# Allegro board SDHCalFEB20180110.brd (continued)
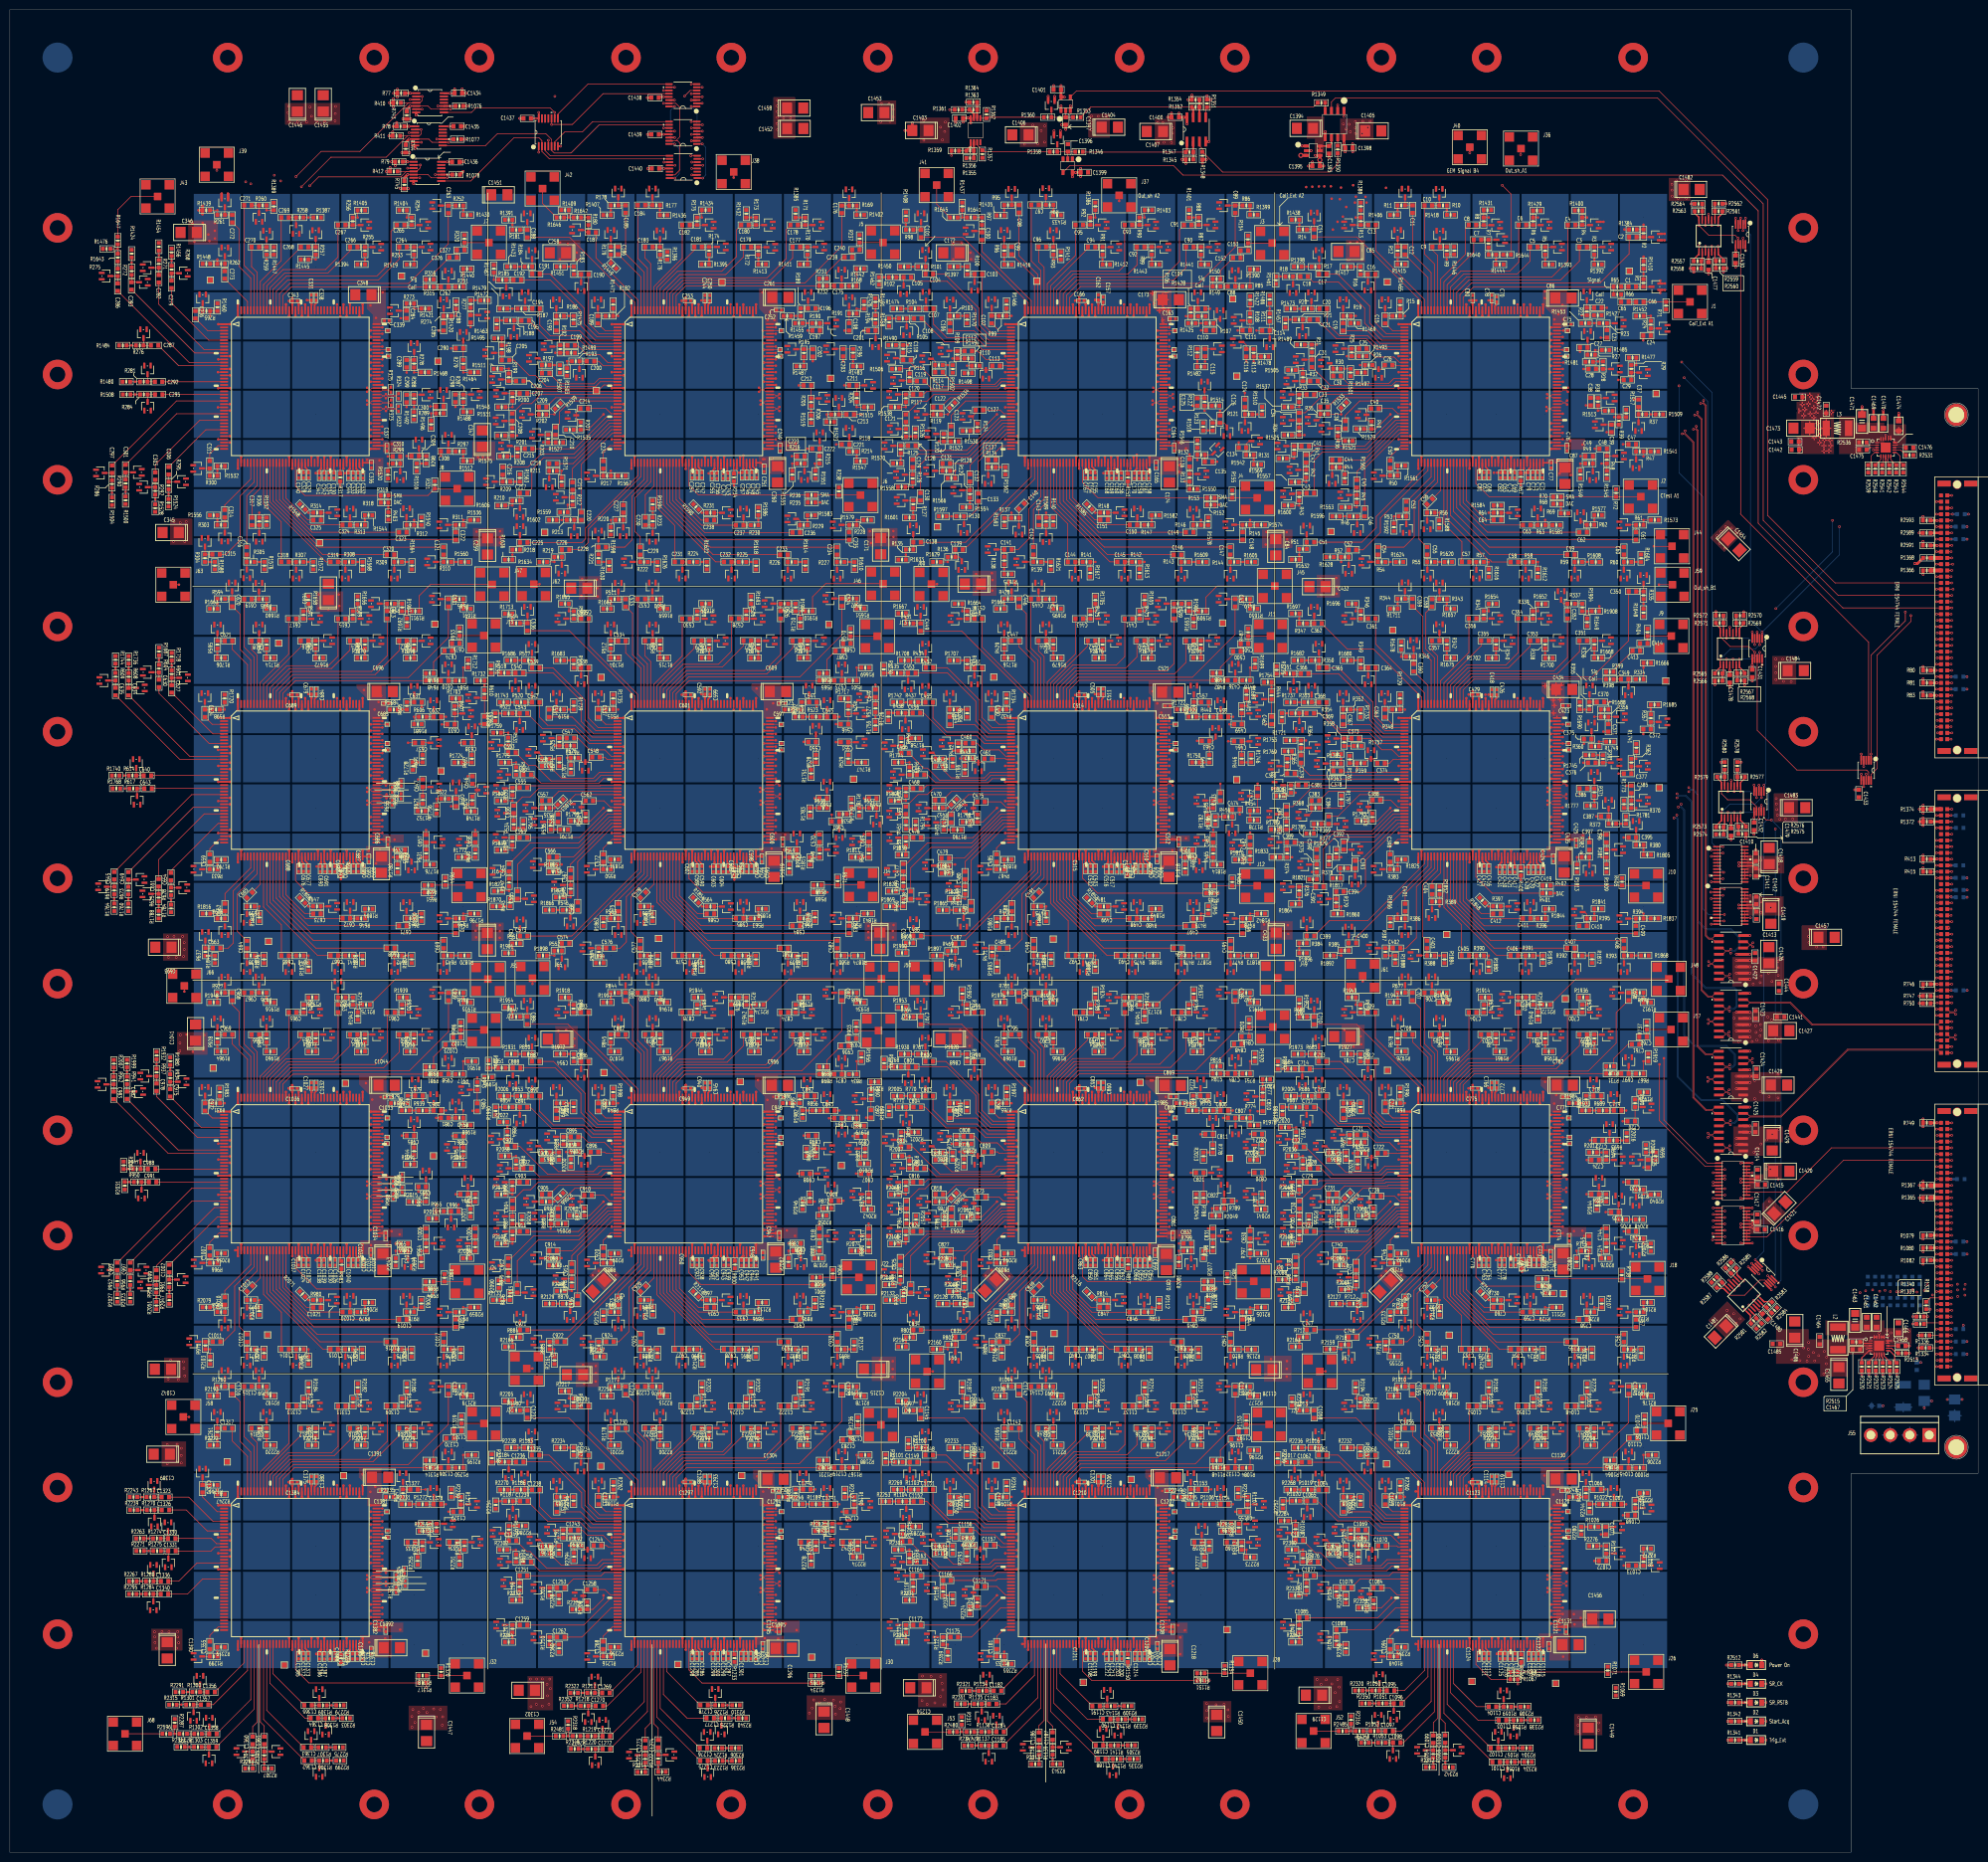
[diagram p0: board, top side]
## Nets (continued)
OUT_T&H_D3: U975.129(OUT_T&H) U1081.10(+IN)
OUT_T&H_D4: U1040.129(OUT_T&H) U1081.12(+IN)
OUT_TRIG0B: J35.A27 U1061.8(D)
OUT_TRIG0B_A: R79.2 U65.85(OUT_TRIG0B) U130.85(OUT_TRIG0B) U195.85(OUT_TRIG0B) U260.85(OUT_TRIG0B) U1060.1(1A) U1061.4(S1)
OUT_TRIG0B_A&B: U1060.3(1Y) U1061.12(S5) U1082.1(1A)
OUT_TRIG0B_A&B&C&D: U1061.9(S8) U1082.3(1Y)
OUT_TRIG0B_B: R412.2 U325.85(OUT_TRIG0B) U390.85(OUT_TRIG0B) U455.85(OUT_TRIG0B) U520.85(OUT_TRIG0B) U1060.2(1B) U1060.4(2A) U1061.5(S2)
OUT_TRIG0B_B&C: U1060.6(2Y) U1061.11(S6)
OUT_TRIG0B_C: R745.2 U585.85(OUT_TRIG0B) U650.85(OUT_TRIG0B) U715.85(OUT_TRIG0B) U780.85(OUT_TRIG0B) U1060.5(2B) U1060.9(3A) U1061.6(S3)
OUT_TRIG0B_C&D: U1060.8(3Y) U1061.10(S7) U1082.2(1B)
OUT_TRIG0B_D: R1078.2 U845.85(OUT_TRIG0B) U910.85(OUT_TRIG0B) U975.85(OUT_TRIG0B) U1040.85(OUT_TRIG0B) U1060.10(3B) U1061.7(S4)
OUT_TRIG1B: J35.A29 U1067.8(D)
OUT_TRIG1B_A: R78.1 U65.84(OUT_TRIG1B) U130.84(OUT_TRIG1B) U195.84(OUT_TRIG1B) U260.84(OUT_TRIG1B) U1064.1(1A) U1067.4(S1)
OUT_TRIG1B_A&B: U1064.3(1Y) U1067.12(S5) U1082.4(2A)
OUT_TRIG1B_A&B&C&D: U1067.9(S8) U1082.6(2Y)
OUT_TRIG1B_B: R411.1 U325.84(OUT_TRIG1B) U390.84(OUT_TRIG1B) U455.84(OUT_TRIG1B) U520.84(OUT_TRIG1B) U1064.2(1B) U1064.4(2A) U1067.5(S2)
OUT_TRIG1B_B&C: U1064.6(2Y) U1067.11(S6)
OUT_TRIG1B_C: R744.1 U585.84(OUT_TRIG1B) U650.84(OUT_TRIG1B) U715.84(OUT_TRIG1B) U780.84(OUT_TRIG1B) U1064.5(2B) U1064.9(3A) U1067.6(S3)
OUT_TRIG1B_C&D: U1064.8(3Y) U1067.10(S7) U1082.5(2B)
OUT_TRIG1B_D: R1077.1 U845.84(OUT_TRIG1B) U910.84(OUT_TRIG1B) U975.84(OUT_TRIG1B) U1040.84(OUT_TRIG1B) U1064.10(3B) U1067.7(S4)
OUT_TRIG2B: J35.A31 U1071.8(D)
OUT_TRIG2B_A: R77.2 U65.83(OUT_TRIG2B) U130.83(OUT_TRIG2B) U195.83(OUT_TRIG2B) U260.83(OUT_TRIG2B) U1068.1(1A) U1071.4(S1)
OUT_TRIG2B_A&B: U1068.3(1Y) U1071.12(S5) U1082.10(3B)
OUT_TRIG2B_A&B&C&D: U1071.9(S8) U1082.8(3Y)
OUT_TRIG2B_B: R410.2 U325.83(OUT_TRIG2B) U390.83(OUT_TRIG2B) U455.83(OUT_TRIG2B) U520.83(OUT_TRIG2B) U1068.2(1B) U1068.4(2A) U1071.5(S2)
OUT_TRIG2B_B&C: U1068.6(2Y) U1071.11(S6)
OUT_TRIG2B_C: R743.2 U585.83(OUT_TRIG2B) U650.83(OUT_TRIG2B) U715.83(OUT_TRIG2B) U780.83(OUT_TRIG2B) U1068.5(2B) U1068.9(3A) U1071.6(S3)
OUT_TRIG2B_C&D: U1068.8(3Y) U1071.10(S7) U1082.9(3A)
OUT_TRIG2B_D: R1076.2 U845.83(OUT_TRIG2B) U910.83(OUT_TRIG2B) U975.83(OUT_TRIG2B) U1040.83(OUT_TRIG2B) U1068.10(3B) U1071.7(S4)
PWR_ON_A: J33.B36 U1052.14(A4) U1052.15(A3) U1052.16(A2) U1052.17(A1)
PWR_ON_A_A: U65.89(PWR_ON_A) U130.89(PWR_ON_A) U195.89(PWR_ON_A) U260.89(PWR_ON_A) U1052.9(Y1)
PWR_ON_A_B: U325.89(PWR_ON_A) U390.89(PWR_ON_A) U455.89(PWR_ON_A) U520.89(PWR_ON_A) U1052.10(Y2)
PWR_ON_A_C: U585.89(PWR_ON_A) U650.89(PWR_ON_A) U715.89(PWR_ON_A) U780.89(PWR_ON_A) U1052.11(Y3)
PWR_ON_A_D: U845.89(PWR_ON_A) U910.89(PWR_ON_A) U975.89(PWR_ON_A) U1040.89(PWR_ON_A) U1052.12(Y4)
PWR_ON_ADC: J33.A35 U1053.20(A4) U1053.21(A3) U1053.22(A2) U1053.23(A1)
PWR_ON_ADC_A: U65.88(PWR_ON_ADC) U130.88(PWR_ON_ADC) U195.88(PWR_ON_ADC) U260.88(PWR_ON_ADC) U1053.1(Y1)
PWR_ON_ADC_B: U325.88(PWR_ON_ADC) U390.88(PWR_ON_ADC) U455.88(PWR_ON_ADC) U520.88(PWR_ON_ADC) U1053.2(Y2)
PWR_ON_ADC_C: U585.88(PWR_ON_ADC) U650.88(PWR_ON_ADC) U715.88(PWR_ON_ADC) U780.88(PWR_ON_ADC) U1053.3(Y3)
PWR_ON_ADC_D: U845.88(PWR_ON_ADC) U910.88(PWR_ON_ADC) U975.88(PWR_ON_ADC) U1040.88(PWR_ON_ADC) U1053.4(Y4)
PWR_ON_D: J33.A37 U1052.20(A4) U1052.21(A3) U1052.22(A2) U1052.23(A1)
PWR_ON_D_A: U65.90(PWR_ON_D) U130.90(PWR_ON_D) U195.90(PWR_ON_D) U260.90(PWR_ON_D) U1052.1(Y1)
PWR_ON_D_B: U325.90(PWR_ON_D) U390.90(PWR_ON_D) U455.90(PWR_ON_D) U520.90(PWR_ON_D) U1052.2(Y2)
PWR_ON_D_C: U585.90(PWR_ON_D) U650.90(PWR_ON_D) U715.90(PWR_ON_D) U780.90(PWR_ON_D) U1052.3(Y3)
PWR_ON_D_D: U845.90(PWR_ON_D) U910.90(PWR_ON_D) U975.90(PWR_ON_D) U1040.90(PWR_ON_D) U1052.4(Y4)
PWR_ON_DAC: J33.B34 U1053.14(A4) U1053.15(A3) U1053.16(A2) U1053.17(A1)
PWR_ON_DAC_A: U65.87(PWR_ON_DAC) U130.87(PWR_ON_DAC) U195.87(PWR_ON_DAC) U260.87(PWR_ON_DAC) U1053.9(Y1)
PWR_ON_DAC_B: U325.87(PWR_ON_DAC) U390.87(PWR_ON_DAC) U455.87(PWR_ON_DAC) U520.87(PWR_ON_DAC) U1053.10(Y2)
PWR_ON_DAC_C: U585.87(PWR_ON_DAC) U650.87(PWR_ON_DAC) U715.87(PWR_ON_DAC) U780.87(PWR_ON_DAC) U1053.11(Y3)
PWR_ON_DAC_D: U845.87(PWR_ON_DAC) U910.87(PWR_ON_DAC) U975.87(PWR_ON_DAC) U1040.87(PWR_ON_DAC) U1053.12(Y4)
RAZ_CHNN: J34.A4 U1056.7(DI-)
RAZ_CHNN_A: R323.2 U65.96(RAZ_CHNN) U130.96(RAZ_CHNN) U195.96(RAZ_CHNN) U260.96(RAZ_CHNN) U1056.9(B3)
RAZ_CHNN_B: R656.2 U325.96(RAZ_CHNN) U390.96(RAZ_CHNN) U455.96(RAZ_CHNN) U520.96(RAZ_CHNN) U1056.12(B2)
RAZ_CHNN_C: R989.2 U585.96(RAZ_CHNN) U650.96(RAZ_CHNN) U715.96(RAZ_CHNN) U780.96(RAZ_CHNN) U1056.13(B1)
RAZ_CHNN_D: R1322.2 U845.96(RAZ_CHNN) U910.96(RAZ_CHNN) U975.96(RAZ_CHNN) U1040.96(RAZ_CHNN) U1056.16(B0)
RAZ_CHNP: J34.A3 U1056.6(DI+)
RAZ_CHNP_A: R323.1 U65.95(RAZ_CHNP) U130.95(RAZ_CHNP) U195.95(RAZ_CHNP) U260.95(RAZ_CHNP) U1056.10(A3)
RAZ_CHNP_B: R656.1 U325.95(RAZ_CHNP) U390.95(RAZ_CHNP) U455.95(RAZ_CHNP) U520.95(RAZ_CHNP) U1056.11(A2)
RAZ_CHNP_C: R989.1 U585.95(RAZ_CHNP) U650.95(RAZ_CHNP) U715.95(RAZ_CHNP) U780.95(RAZ_CHNP) U1056.14(A1)
RAZ_CHNP_D: R1322.1 U845.95(RAZ_CHNP) U910.95(RAZ_CHNP) U975.95(RAZ_CHNP) U1040.95(RAZ_CHNP) U1056.15(A0)
READOUT1_A1TOA2: TP15.1 TP23.1 U65.112(END_READOUT1) U130.110(START_READOUT1)
READOUT1_A2TOA3: SRD4.1 TP24.1 U130.112(END_READOUT1) U195.110(START_READOUT1)
READOUT1_A3TOA4: TP35.1 TP45.1 U195.112(END_READOUT1) U260.110(START_READOUT1)
READOUT1_B1TOB2: RD.1 TP56.1 U325.112(END_READOUT1) U390.110(START_READOUT1)
READOUT1_B2TOB3: TP57.1 TP67.1 U390.112(END_READOUT1) U455.110(START_READOUT1)
READOUT1_B3TOB4: TP68.1 TP78.1 U455.112(END_READOUT1) U520.110(START_READOUT1)
READOUT1_C1TOC2: TP90.1 TP100.1 U585.112(END_READOUT1) U650.110(START_READOUT1)
READOUT1_C2TOC3: TP101.1 TP111.1 U650.112(END_READOUT1) U715.110(START_READOUT1)
READOUT1_C3TOC4: TP112.1 TP124.1 U715.112(END_READOUT1) U780.110(START_READOUT1)
READOUT1_D1TOD2: TP136.1 TP144.1 U845.112(END_READOUT1) U910.110(START_READOUT1)
READOUT1_D2TOD3: TP145.1 TP155.1 U910.112(END_READOUT1) U975.110(START_READOUT1)
READOUT1_D3TOD4: TP156.1 TP168.1 U975.112(END_READOUT1) U1040.110(START_READOUT1)
READOUT2_A1TOA2: U65.113(END_READOUT2) U130.111(START_READOUT2)
READOUT2_A2TOA3: U130.113(END_READOUT2) U195.111(START_READOUT2)
READOUT2_A3TOA4: U195.113(END_READOUT2) U260.111(START_READOUT2)
READOUT2_B1TOB2: U325.113(END_READOUT2) U390.111(START_READOUT2)
READOUT2_B2TOB3: U390.113(END_READOUT2) U455.111(START_READOUT2)
READOUT2_B3TOB4: U455.113(END_READOUT2) U520.111(START_READOUT2)
READOUT2_C1TOC2: U585.113(END_READOUT2) U650.111(START_READOUT2)
READOUT2_C2TOC3: U650.113(END_READOUT2) U715.111(START_READOUT2)
READOUT2_C3TOC4: U715.113(END_READOUT2) U780.111(START_READOUT2)
READOUT2_D1TOD2: U845.113(END_READOUT2) U910.111(START_READOUT2)
READOUT2_D2TOD3: U910.113(END_READOUT2) U975.111(START_READOUT2)
READOUT2_D3TOD4: U975.113(END_READOUT2) U1040.111(START_READOUT2)
RESET_B: J34.A21 U1051.14(A4) U1051.15(A3) U1051.16(A2) U1051.17(A1)
RESET_B_A: U65.102(RESETB) U130.102(RESETB) U195.102(RESETB) U260.102(RESETB) U1051.9(Y1)
RESET_B_B: U325.102(RESETB) U390.102(RESETB) U455.102(RESETB) U520.102(RESETB) U1051.10(Y2)
RESET_B_C: U585.102(RESETB) U650.102(RESETB) U715.102(RESETB) U780.102(RESETB) U1051.11(Y3)
RESET_B_D: U845.102(RESETB) U910.102(RESETB) U975.102(RESETB) U1040.102(RESETB) U1051.12(Y4)
ROWSELECT0: J35.B32 R2591.1 U1073.1(A0)
ROWSELECT1: J35.A33 R2590.1 U1073.10(A1)
ROWSELECT2: J35.B34 R2589.1
RST_COUNTERB: J34.B22 U1051.20(A4) U1051.21(A3) U1051.22(A2) U1051.23(A1)
RST_COUNTERB_A: U65.109(RST_COUNTERB) U130.109(RST_COUNTERB) U195.109(RST_COUNTERB) U260.109(RST_COUNTERB) U1051.1(Y1)
RST_COUNTERB_B: U325.109(RST_COUNTERB) U390.109(RST_COUNTERB) U455.109(RST_COUNTERB) U520.109(RST_COUNTERB) U1051.2(Y2)
RST_COUNTERB_C: U585.109(RST_COUNTERB) U650.109(RST_COUNTERB) U715.109(RST_COUNTERB) U780.109(RST_COUNTERB) U1051.3(Y3)
RST_COUNTERB_D: U845.109(RST_COUNTERB) U910.109(RST_COUNTERB) U975.109(RST_COUNTERB) U1040.109(RST_COUNTERB) U1051.4(Y4)
SELECT: J34.A23 U1050.14(A4) U1050.15(A3) U1050.16(A2) U1050.17(A1)
SELECT_A: U65.114(SELECT) U130.114(SELECT) U195.114(SELECT) U260.114(SELECT) U1050.9(Y1)
SELECT_B: U325.114(SELECT) U390.114(SELECT) U455.114(SELECT) U520.114(SELECT) U1050.10(Y2)
SELECT_C: U585.114(SELECT) U650.114(SELECT) U715.114(SELECT) U780.114(SELECT) U1050.11(Y3)
SELECT_D: U845.114(SELECT) U910.114(SELECT) U975.114(SELECT) U1040.114(SELECT) U1050.12(Y4)
SR_A1TOA2: TP16.1 U65.118(SR_OUT) U130.117(SR_IN)
SR_A2TOA3: TP25.1 U130.118(SR_OUT) U195.117(SR_IN)
SR_A3TOA4: TP36.1 U195.118(SR_OUT) U260.117(SR_IN)
SR_B1TOB2: SR.1 U325.118(SR_OUT) U390.117(SR_IN)
SR_B2TOB3: TP58.1 U390.118(SR_OUT) U455.117(SR_IN)
SR_B3TOB4: TP69.1 U455.118(SR_OUT) U520.117(SR_IN)
SR_C1TOC2: TP91.1 U585.118(SR_OUT) U650.117(SR_IN)
SR_C2TOC3: TP102.1 U650.118(SR_OUT) U715.117(SR_IN)
SR_C3TOC4: TP113.1 U715.118(SR_OUT) U780.117(SR_IN)
SR_CK_A: J35.B16 U65.116(SR_CK) U130.116(SR_CK) U195.116(SR_CK) U260.116(SR_CK)
SR_CK_B: J35.A1 U325.116(SR_CK) U390.116(SR_CK) U455.116(SR_CK) U520.116(SR_CK)
SR_CK_C: J34.B16 U585.116(SR_CK) U650.116(SR_CK) U715.116(SR_CK) U780.116(SR_CK)
SR_CK_D: J33.B26 U845.116(SR_CK) U910.116(SR_CK) U975.116(SR_CK) U1040.116(SR_CK)
SR_CK_E: D4.2(CATHODE) J33.A11
SR_D1TOD2: TP137.1 U845.118(SR_OUT) U910.117(SR_IN)
SR_D2TOD3: TP146.1 U910.118(SR_OUT) U975.117(SR_IN)
SR_D3TOD4: TP157.1 U975.118(SR_OUT) U1040.117(SR_IN)
SR_IN_A: J35.A17 U65.117(SR_IN)
SR_IN_B: J35.B2 U325.117(SR_IN)
SR_IN_C: J34.A17 U585.117(SR_IN)
SR_IN_D: J33.A27 U845.117(SR_IN)
SR_IN_E: J33.B12 R1338.2
SR_OUT_A: J35.B18 TP47.1 U260.118(SR_OUT)
SR_OUT_B: J35.A3 TP80.1 U520.118(SR_OUT)
SR_OUT_C: J34.B18 TP126.1 U780.118(SR_OUT)
SR_OUT_D: J33.A29 TP170.1 U1040.118(SR_OUT)
SR_OUT_E: J33.A13 R1338.1
SR_RSTB_A: J35.A15 U65.115(SR_RSTB) U130.115(SR_RSTB) U195.115(SR_RSTB) U260.115(SR_RSTB)
SR_RSTB_B: J34.A35 U325.115(SR_RSTB) U390.115(SR_RSTB) U455.115(SR_RSTB) U520.115(SR_RSTB)
SR_RSTB_C: J34.A15 U585.115(SR_RSTB) U650.115(SR_RSTB) U715.115(SR_RSTB) U780.115(SR_RSTB)
SR_RSTB_D: J33.A25 U845.115(SR_RSTB) U910.115(SR_RSTB) U975.115(SR_RSTB) U1040.115(SR_RSTB)
SR_RSTB_E: D3.2(CATHODE) J33.B10
STARTACQ_A: J35.A7 U65.92(START_ACQ) U130.92(START_ACQ) U195.92(START_ACQ) U260.92(START_ACQ)
STARTACQ_B: J34.B26 U325.92(START_ACQ) U390.92(START_ACQ) U455.92(START_ACQ) U520.92(START_ACQ)
STARTACQ_C: J33.A39 U585.92(START_ACQ) U650.92(START_ACQ) U715.92(START_ACQ) U780.92(START_ACQ)
STARTACQ_D: J33.A17 U845.92(START_ACQ) U910.92(START_ACQ) U975.92(START_ACQ) U1040.92(START_ACQ)
STARTACQ_E: D2.2(CATHODE) J33.B2
STARTREADOUT1_A: J35.A13 TP14.1 U65.110(START_READOUT1)
STARTREADOUT1_B: J34.A33 SRD.1 U325.110(START_READOUT1)
STARTREADOUT1_C: J34.A13 TP89.1 U585.110(START_READOUT1)
STARTREADOUT1_D: J33.A23 TP135.1 U845.110(START_READOUT1)
STARTREADOUT1_E: J33.B8 R1339.2
STARTREADOUT2_A: J35.B14 U65.111(START_READOUT2)
STARTREADOUT2_B: J34.B34 U325.111(START_READOUT2)
STARTREADOUT2_C: J34.B14 U585.111(START_READOUT2)
STARTREADOUT2_D: J33.B24 U845.111(START_READOUT2)
STARTREADOUT2_E: J33.A9 R1340.2
T&H_A1: R2557.1 U1058.2(S1) U1078.1(OUT)
T&H_A2: R2559.1 U1058.9(S2) U1078.7(OUT)
T&H_A3: R2561.1 U1058.4(S3) U1078.8(OUT)
T&H_A4: R2563.1 U1058.7(S4) U1078.14(OUT)
T&H_B1: R2565.1 U1062.2(S1) U1079.1(OUT)
T&H_B2: R2567.1 U1062.9(S2) U1079.7(OUT)
T&H_B3: R2569.1 U1062.4(S3) U1079.8(OUT)
T&H_B4: R2571.1 U1062.7(S4) U1079.14(OUT)
T&H_C1: R2573.1 U1065.2(S1) U1080.1(OUT)
T&H_C2: R2575.1 U1065.9(S2) U1080.7(OUT)
T&H_C3: R2577.1 U1065.4(S3) U1080.8(OUT)
T&H_C4: R2579.1 U1065.7(S4) U1080.14(OUT)
T&H_D1: R2581.1 U1069.2(S1) U1081.1(OUT)
T&H_D2: R2583.1 U1069.9(S2) U1081.7(OUT)
T&H_D3: R2585.1 U1069.4(S3) U1081.8(OUT)
T&H_D4: R2587.1 U1069.7(S4) U1081.14(OUT)
TRANSMITON1B_A: J35.B10 R81.2 U65.106(TRANSMITON1B) U130.106(TRANSMITON1B) U195.106(TRANSMITON1B) U260.106(TRANSMITON1B)
TRANSMITON1B_B: J34.A29 R414.2 U325.106(TRANSMITON1B) U390.106(TRANSMITON1B) U455.106(TRANSMITON1B) U520.106(TRANSMITON1B)
TRANSMITON1B_C: J34.B10 R747.2 U585.106(TRANSMITON1B) U650.106(TRANSMITON1B) U715.106(TRANSMITON1B) U780.106(TRANSMITON1B)
TRANSMITON1B_D: J33.B20 R1080.2 U845.106(TRANSMITON1B) U910.106(TRANSMITON1B) U975.106(TRANSMITON1B) U1040.106(TRANSMITON1B)
TRANSMITON1B_E: J33.A5 R1335.1
TRANSMITON2B_A: J35.A11 R82.2 U65.107(TRANSMITON2B) U130.107(TRANSMITON2B) U195.107(TRANSMITON2B) U260.107(TRANSMITON2B)
TRANSMITON2B_B: J34.B30 R415.2 U325.107(TRANSMITON2B) U390.107(TRANSMITON2B) U455.107(TRANSMITON2B) U520.107(TRANSMITON2B)
TRANSMITON2B_C: J34.A11 R748.2 U585.107(TRANSMITON2B) U650.107(TRANSMITON2B) U715.107(TRANSMITON2B) U780.107(TRANSMITON2B)
TRANSMITON2B_D: J33.A21 R1081.2 U845.107(TRANSMITON2B) U910.107(TRANSMITON2B) U975.107(TRANSMITON2B) U1040.107(TRANSMITON2B)
TRANSMITON2B_E: J33.B6 R1336.1
TRIGEXT_A: J35.B6 U65.86(TRIG_EXT) U130.86(TRIG_EXT) U195.86(TRIG_EXT) U260.86(TRIG_EXT)
TRIGEXT_B: J34.B25 U325.86(TRIG_EXT) U390.86(TRIG_EXT) U455.86(TRIG_EXT) U520.86(TRIG_EXT)
TRIGEXT_C: J33.B38 U585.86(TRIG_EXT) U650.86(TRIG_EXT) U715.86(TRIG_EXT) U780.86(TRIG_EXT)
TRIGEXT_D: J33.B16 U845.86(TRIG_EXT) U910.86(TRIG_EXT) U975.86(TRIG_EXT) U1040.86(TRIG_EXT)
TRIGEXT_E: D1.2(CATHODE) J33.A1
V_BG_ASIC_A1: C73.2 R67.2 U65.70(V_BG)
V_BG_ASIC_A2: C160.2 R151.2 U130.70(V_BG)
V_BG_ASIC_A3: C247.2 R234.2 U195.70(V_BG)
V_BG_ASIC_A4: C334.2 R317.2 U260.70(V_BG)
V_BG_ASIC_B1: C421.2 R400.2 U325.70(V_BG)
V_BG_ASIC_B5: C508.2 R484.2 U390.70(V_BG)
V_BG_ASIC_B6: C595.2 R567.2 U455.70(V_BG)
V_BG_ASIC_B7: C682.2 R650.2 U520.70(V_BG)
V_BG_ASIC_C1: C769.2 R733.2 U585.70(V_BG)
V_BG_ASIC_C2: C856.2 R817.2 U650.70(V_BG)
V_BG_ASIC_C3: C943.2 R900.2 U715.70(V_BG)
V_BG_ASIC_C4: C1030.2 R983.2 U780.70(V_BG)
V_BG_ASIC_D1: C1117.2 R1066.2 U845.70(V_BG)
V_BG_ASIC_D2: C1203.2 R1150.2 U910.70(V_BG)
V_BG_ASIC_D3: C1290.2 R1233.2 U975.70(V_BG)
V_BG_ASIC_D4: C1377.2 R1316.2 U1040.70(V_BG)
VAL_EVTN: J34.B2 U1054.7(DI-)
VAL_EVTN_A: R322.2 U65.94(VAL_EVTN) U130.94(VAL_EVTN) U195.94(VAL_EVTN) U260.94(VAL_EVTN) U1054.9(B3)
VAL_EVTN_B: R655.2 U325.94(VAL_EVTN) U390.94(VAL_EVTN) U455.94(VAL_EVTN) U520.94(VAL_EVTN) U1054.12(B2)
VAL_EVTN_C: R988.2 U585.94(VAL_EVTN) U650.94(VAL_EVTN) U715.94(VAL_EVTN) U780.94(VAL_EVTN) U1054.13(B1)
VAL_EVTN_D: R1321.2 U845.94(VAL_EVTN) U910.94(VAL_EVTN) U975.94(VAL_EVTN) U1040.94(VAL_EVTN) U1054.16(B0)
VAL_EVTP: J34.B1 U1054.6(DI+)
VAL_EVTP_A: R322.1 U65.93(VAL_EVTP) U130.93(VAL_EVTP) U195.93(VAL_EVTP) U260.93(VAL_EVTP) U1054.10(A3)
VAL_EVTP_B: R655.1 U325.93(VAL_EVTP) U390.93(VAL_EVTP) U455.93(VAL_EVTP) U520.93(VAL_EVTP) U1054.11(A2)
VAL_EVTP_C: R988.1 U585.93(VAL_EVTP) U650.93(VAL_EVTP) U715.93(VAL_EVTP) U780.93(VAL_EVTP) U1054.14(A1)
VAL_EVTP_D: R1321.1 U845.93(VAL_EVTP) U910.93(VAL_EVTP) U975.93(VAL_EVTP) U1040.93(VAL_EVTP) U1054.15(A0)
VREF1.25V: C1393.1 C1394.1 U1041.5(OUT_S) U1041.6(OUT_F) U1044.6(REF)
VREF_DAC_ASIC_A1: C69.2 U65.71(VREF_DAC)
VREF_DAC_ASIC_A2: C156.2 U130.71(VREF_DAC)
VREF_DAC_ASIC_A3: C243.2 U195.71(VREF_DAC)
VREF_DAC_ASIC_A4: C330.2 U260.71(VREF_DAC)
VREF_DAC_ASIC_B1: C417.2 U325.71(VREF_DAC)
VREF_DAC_ASIC_B5: C504.2 U390.71(VREF_DAC)
VREF_DAC_ASIC_B6: C591.2 U455.71(VREF_DAC)
VREF_DAC_ASIC_B7: C678.2 U520.71(VREF_DAC)
VREF_DAC_ASIC_C1: C765.2 U585.71(VREF_DAC)
VREF_DAC_ASIC_C2: C852.2 U650.71(VREF_DAC)
VREF_DAC_ASIC_C3: C939.2 U715.71(VREF_DAC)
VREF_DAC_ASIC_C4: C1026.2 U780.71(VREF_DAC)
VREF_DAC_ASIC_D1: C1113.2 U845.71(VREF_DAC)
VREF_DAC_ASIC_D2: C1200.2 U910.71(VREF_DAC)
VREF_DAC_ASIC_D3: C1287.2 U975.71(VREF_DAC)
VREF_DAC_ASIC_D4: C1374.2 U1040.71(VREF_DAC)
VREF_PA_ASIC_A1: C67.2 U65.61(VREF_PA)
VREF_PA_ASIC_A2: C154.2 U130.61(VREF_PA)
VREF_PA_ASIC_A3: C241.2 U195.61(VREF_PA)
VREF_PA_ASIC_A4: C328.2 U260.61(VREF_PA)
VREF_PA_ASIC_B1: C415.2 U325.61(VREF_PA)
VREF_PA_ASIC_B5: C502.2 U390.61(VREF_PA)
VREF_PA_ASIC_B6: C589.2 U455.61(VREF_PA)
VREF_PA_ASIC_B7: C676.2 U520.61(VREF_PA)
VREF_PA_ASIC_C1: C763.2 U585.61(VREF_PA)
VREF_PA_ASIC_C2: C850.2 U650.61(VREF_PA)
VREF_PA_ASIC_C3: C937.2 U715.61(VREF_PA)
VREF_PA_ASIC_C4: C1024.2 U780.61(VREF_PA)
VREF_PA_ASIC_D1: C1111.2 U845.61(VREF_PA)
VREF_PA_ASIC_D2: C1198.2 U910.61(VREF_PA)
VREF_PA_ASIC_D3: C1285.2 U975.61(VREF_PA)
VREF_PA_ASIC_D4: C1372.2 U1040.61(VREF_PA)
VREF_SH_ASIC_A1: C68.2 U65.62(VREF_SH)
VREF_SH_ASIC_A2: C155.2 U130.62(VREF_SH)
VREF_SH_ASIC_A3: C242.2 U195.62(VREF_SH)
VREF_SH_ASIC_A4: C329.2 U260.62(VREF_SH)
VREF_SH_ASIC_B1: C416.2 U325.62(VREF_SH)
VREF_SH_ASIC_B5: C503.2 U390.62(VREF_SH)
VREF_SH_ASIC_B6: C590.2 U455.62(VREF_SH)
VREF_SH_ASIC_B7: C677.2 U520.62(VREF_SH)
VREF_SH_ASIC_C1: C764.2 U585.62(VREF_SH)
VREF_SH_ASIC_C2: C851.2 U650.62(VREF_SH)
VREF_SH_ASIC_C3: C938.2 U715.62(VREF_SH)
VREF_SH_ASIC_C4: C1025.2 U780.62(VREF_SH)
VREF_SH_ASIC_D1: C1112.2 U845.62(VREF_SH)
VREF_SH_ASIC_D2: C1199.2 U910.62(VREF_SH)
VREF_SH_ASIC_D3: C1286.2 U975.62(VREF_SH)
VREF_SH_ASIC_D4: C1373.2 U1040.62(VREF_SH)
VTH0_ASIC_A1: C71.2 U65.79(VTH0)
VTH0_ASIC_A2: C158.2 U130.79(VTH0)
VTH0_ASIC_A3: C245.2 U195.79(VTH0)
VTH0_ASIC_A4: C332.2 U260.79(VTH0)
VTH0_ASIC_B1: C419.2 U325.79(VTH0)
VTH0_ASIC_B5: C506.2 U390.79(VTH0)
VTH0_ASIC_B6: C593.2 U455.79(VTH0)
VTH0_ASIC_B7: C680.2 U520.79(VTH0)
VTH0_ASIC_C1: C767.2 U585.79(VTH0)
VTH0_ASIC_C2: C854.2 U650.79(VTH0)
VTH0_ASIC_C3: C941.2 U715.79(VTH0)
VTH0_ASIC_C4: C1028.2 U780.79(VTH0)
VTH0_ASIC_D1: C1115.2 U845.79(VTH0)
VTH0_ASIC_D2: C1204.2 U910.79(VTH0)
VTH0_ASIC_D3: C1291.2 U975.79(VTH0)
VTH0_ASIC_D4: C1378.2 U1040.79(VTH0)
VTH1_ASIC_A1: C74.2 U65.78(VTH1)
VTH1_ASIC_A2: C161.2 U130.78(VTH1)
VTH1_ASIC_A3: C248.2 U195.78(VTH1)
VTH1_ASIC_A4: C335.2 U260.78(VTH1)
VTH1_ASIC_B1: C422.2 U325.78(VTH1)
VTH1_ASIC_B5: C509.2 U390.78(VTH1)
VTH1_ASIC_B6: C596.2 U455.78(VTH1)
VTH1_ASIC_B7: C683.2 U520.78(VTH1)
VTH1_ASIC_C1: C770.2 U585.78(VTH1)
VTH1_ASIC_C2: C857.2 U650.78(VTH1)
VTH1_ASIC_C3: C944.2 U715.78(VTH1)
VTH1_ASIC_C4: C1031.2 U780.78(VTH1)
VTH1_ASIC_D1: C1118.2 U845.78(VTH1)
VTH1_ASIC_D2: C1202.2 U910.78(VTH1)
VTH1_ASIC_D3: C1289.2 U975.78(VTH1)
VTH1_ASIC_D4: C1376.2 U1040.78(VTH1)
VTH2_ASIC_A1: C72.2 U65.77(VTH2)
VTH2_ASIC_A2: C159.2 U130.77(VTH2)
VTH2_ASIC_A3: C246.2 U195.77(VTH2)
VTH2_ASIC_A4: C333.2 U260.77(VTH2)
VTH2_ASIC_B1: C420.2 U325.77(VTH2)
VTH2_ASIC_B5: C507.2 U390.77(VTH2)
VTH2_ASIC_B6: C594.2 U455.77(VTH2)
VTH2_ASIC_B7: C681.2 U520.77(VTH2)
VTH2_ASIC_C1: C768.2 U585.77(VTH2)
VTH2_ASIC_C2: C855.2 U650.77(VTH2)
VTH2_ASIC_C3: C942.2 U715.77(VTH2)
VTH2_ASIC_C4: C1029.2 U780.77(VTH2)
VTH2_ASIC_D1: C1116.2 U845.77(VTH2)
VTH2_ASIC_D2: C1205.2 U910.77(VTH2)
VTH2_ASIC_D3: C1292.2 U975.77(VTH2)
VTH2_ASIC_D4: C1379.2 U1040.77(VTH2)
N224768: C1461.1 C1462.1 C1463.1 C1467.2 L2.1 R2515.1 U1076.1(OUT#1) U1076.19(OUT#19) U1076.20(OUT#20)
N224788: C1468.1 U1076.13(NR/SS)
N224836: C1467.1 U1076.3(FB)
N224884: R2513.2 U1076.12(BIAS)
N225120: R2520.2 U1076.5(50MV)
N225194: R2521.2 U1076.6(100MV)
N225214: R2522.2 U1076.7(200MV)
N225218: R2523.2 U1076.9(400MV)
N225222: R2524.2 U1076.10(800MV)
N225226: R2525.2 U1076.11(1.6V)
N229854: D6.1(ANODE) R2512.1
N266042: R1352.2 R1354.2 U1045.6(INB-)
N1484073: J68.1 R2596.1
N2248761: R2515.2 U1076.2(SNS)
N10357042: R1352.1 R1353.2 U1045.7(OUTB)
N10357278: R1345.2 R1347.2 U1045.2(INA-)
N10357291: R1346.2 R1347.1 U1045.1(OUTA)
N10359702: R1361.2 R1363.1 U1048.7(VOUT2)
N10359726: R1363.2 R1364.2 U1048.6(IN2-)
N10360290: R1355.2 R1356.2 U1048.2(IN1-)
N10360314: R1356.1 R1359.2 U1048.1(VOUT1)
N10371573: R1349.1 U1044.4(OUTA)
N10371607: R1350.2 U1044.7(OUTB)
N10371876: R1357.2 R1358.2 U1048.3(IN1+)
N10371884: R1360.2 R1362.2 U1048.5(IN2+)
N16629690: J33.B28 R1365.1
N16629718: J33.B30 R1367.1
N16632302: J34.A31 R1370.2
N16632314: J34.A37 R1371.2
N16632330: J34.A39 R1373.2
N16632396: J34.B38 R1372.1
N16632400: J34.B40 R1374.1
N16654329: J35.B28 R1366.1
N16654333: J35.B30 R1368.1
N16706372: D1.1(ANODE) R1341.1
N16706987: D2.1(ANODE) R1342.1
N16707063: D3.1(ANODE) R1343.1
N16707139: D4.1(ANODE) R1344.1
N16754290: C1469.1 C1470.1 C1471.1 C1475.2 L3.1 R2536.1 U1077.1(OUT#1) U1077.19(OUT#19) U1077.20(OUT#20)
N16754310: C1476.1 U1077.13(NR/SS)
N16754358: C1475.1 U1077.3(FB)
N16754406: R2531.2 U1077.12(BIAS)
N16754610: R2539.2 U1077.5(50MV)
N16754668: R2540.2 U1077.6(100MV)
N16754688: R2541.2 U1077.7(200MV)
N16754708: R2542.2 U1077.9(400MV)
N16754712: R2543.2 U1077.10(800MV)
N16754716: R2544.2 U1077.11(1.6V)
N16822364: J35.A39
N16822488: J35.B38
N16822490: J35.B40
N16832061: R2557.2 R2558.1 U1078.2(-IN)
N16833922: R2559.2 R2560.1 U1078.6(-IN)
N16834415: R2563.2 R2564.1 U1078.13(-IN)
N16836319: R2565.2 R2566.1 U1079.2(-IN)
N16842604: R2567.2 R2568.1 U1079.6(-IN)
N16842803: R2569.2 R2570.1 U1079.9(-IN)
N16843003: R2571.2 R2572.1 U1079.13(-IN)
N16843204: R2573.2 R2574.1 U1080.2(-IN)
N16843407: R2575.2 R2576.1 U1080.6(-IN)
N16843610: R2577.2 R2578.1 U1080.9(-IN)
N16843814: R2579.2 R2580.1 U1080.13(-IN)
N16844019: R2581.2 R2582.1 U1081.2(-IN)
N16844225: R2583.2 R2584.1 U1081.6(-IN)
N16844432: R2585.2 R2586.1 U1081.9(-IN)
N16844640: R2587.2 R2588.1 U1081.13(-IN)
N16845119: R2561.2 R2562.1 U1078.9(-IN)
N167543981: R2536.2 U1077.2(SNS)
N1665546130: J33.A31 R1369.2

Pads without a net: J34 B36; R1370 1; U65 2 40 63 65 72 91 123 124 130 131 132 133 134 135; U130 2 40 63 65 72 91 123 124 130 131 132 133 134 135; U195 2 40 63 65 72 91 123 124 130 131 132 133 134 135; U260 2 4 5 7 8 18 20 22 24 30 32 33 35 40 43 44 63 65 72 91 123 124 130 131 132 133 134 135 158 159; U325 2 40 63 65 72 91 123 124 130 131 132 133 134 135; U390 2 40 63 65 72 91 123 124 130 131 132 133 134 135; U455 2 40 63 65 72 91 123 124 130 131 132 133 134 135; U520 2 4 5 7 8 18 20 22 24 30 32 33 35 40 43 44 63 65 72 91 123 124 130 131 132 133 134 135 158 159; U585 2 40 63 65 72 91 123 124 130 131 132 133 134 135; U650 2 40 63 65 72 91 123 124 130 131 132 133 134 135; U715 2 40 63 65 72 91 123 124 130 131 132 133 134 135; U780 2 4 5 7 8 18 20 22 24 30 32 33 35 40 43 44 63 65 72 91 123 124 130 131 132 133 134 135 158 159; U845 2 23 25 26 27 28 31 32 34 35 36 37 38 40 53 54 55 56 63 65 72 91 123 124 130 131 132 133 134 135; U910 2 23 25 26 27 28 31 32 34 35 36 37 38 40 53 54 55 56 63 65 72 91 123 124 130 131 132 133 134 135; U975 2 23 25 26 27 28 31 32 34 35 36 37 38 40 53 54 55 56 63 65 72 91 123 124 130 131 132 133 134 135; U1040 2 4 5 7 8 18 20 22 23 25 26 27 28 29 30 31 32 33 34 35 36 37 38 40 53 54 55 56 63 65 72 91 123 124 130 131 132 133 134 135 158 159; U1060 11 12 13; U1064 11 12 13; U1068 11 12 13; U1082 11 12 13